# Altium PCB VCTS_mainboard_Photo.PcbDoc (part 3 of 4)
Units mm, origin at the board's own origin, x right, y up, seen from the top; angles counter-clockwise.
Board outline 215 x 98 mm, 6 copper layers (Top Copper, Signal Layer 1, Signal Layer 2, Signal Layer 3, Signal Layer 4, Bottom Copper), stack 1.502 mm thick; 528 components, 359 nets, 1476 pads, 756 vias.
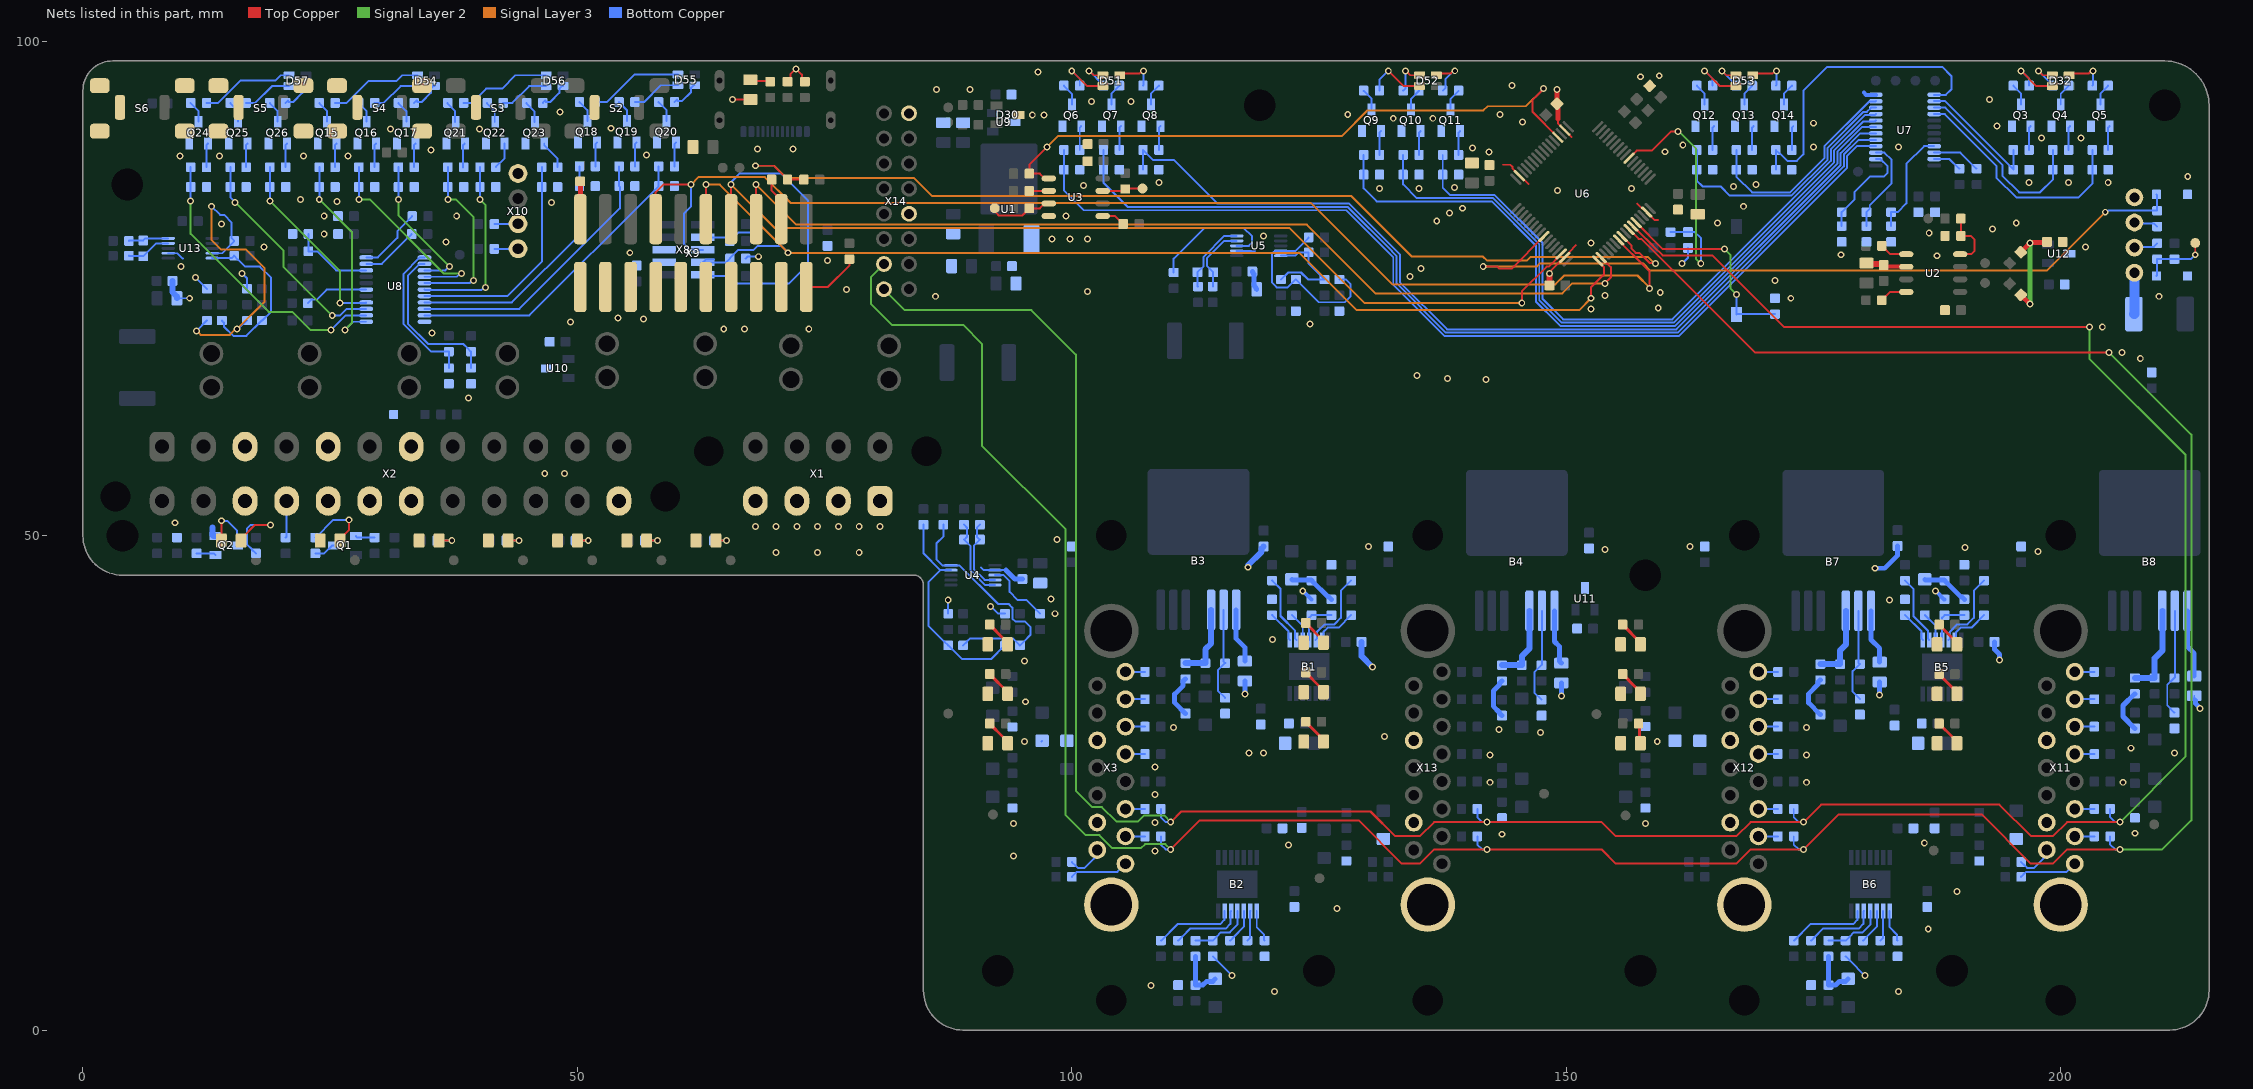
[diagram p7: the nets of this part, all layers, seen from the top]

## Via types
v1: diameter 0.7, hole 0.4, Top Copper to Bottom Copper, tented both sides, 682 vias
v2: diameter 0.7, hole 0.4, Top Copper to Bottom Copper, tented top, 72 vias
v3: diameter 0.56, hole 0.3, Top Copper to Bottom Copper, tented both sides, 2 vias

## Nets (pads, with @x,y where several pads share a name; then routed paths per layer and width w, separated by ;. In a path a pad name is that pad's centre, name@x,y a point inside that pad or via, vN(x,y) a via of type N, cw(c..) or ccw(c..) an arc to the next point about the centre after c; other vN are vias at no path point) (continued)
DGND: C1.1 C2.1 C3.1 C4.1 C5.1 C6.1 C7.1 C8.1 C9.1 C10.2 C11.1 C12.1 C13.1 C14.1 C16.2 C17.1 C18.1 C19.1 C20.2 C21.1 C22.1 C23.1 C24.1 C25.1 C26.1 C27.1 C28.1 C29.1 C30.1 C31.1 C32.1 C33.1 C35.1 C36.1 C37.1 C40.1 C41.1 C42.1 C43.1 C44.1 C45.1 C46.1 C47.1 C48.1 C49.1 C50.1 C51.1 C52.1 C53.1 C54.2 C55.1 C56.1 C57.1 C58.2 C59.1 C60.1 C61.1 C62.1 C63.1 C64.1 C65.1 C66.1 C67.1 C68.1 C69.1 C70.1 C71.1 D2.2 D4.2 D5.2 D6.2 D7.2 D8.2 D9.2 D10.2 D12.2 D14.2 D16.2 D17.2 D18.2 D19.2 D20.2 D21.2 D23.2 D25.2 D29.2 D30.3 D31.2 D34.2 D36.2 D38.2 D39.2 D40.2 D41.2 D42.2 D43.2 D45.2 D47.2 FB1.1 Q2.2 Q3.2 Q4.2 Q5.2 Q6.2 Q7.2 Q8.2 Q9.2 Q10.2 Q11.2 Q12.2 Q13.2 Q14.2 Q15.2 Q16.2 Q17.2 Q18.2 Q19.2 Q20.2 Q21.2 Q22.2 Q23.2 Q24.2 Q25.2 Q26.2 R14.2 R20.2 R42.1 R48.1 R49.2 R50.2 R57.1 R60.2 R67.2 R68.2 R75.1 R78.2 R83.1 R84.1 R85.1 R86.1 R92.1 R98.1 R105.1 R107.1 R125.1 R126.1 R127.1 R129.1 R130.1 R131.1 R132.1 R136.2 R141.1 R143.1 R145.1 R148.1 R173.2 R174.2 R181.1 R184.2 R191.2 R192.2 R199.1 R202.2 R207.1 R208.1 R209.1 R210.1 R216.1 R222.1 R227.1 R229.1 R231.1 R236.1 R238.1 R240.1 R245.1 R247.1 R249.1 R254.1 R256.1 R258.1 R263.1 R265.1 R267.1 R272.1 R274.1 R276.1 R281.1 R283.1 R285.1 S2.2 S3.2 S4.2 S4.TAB S5.2 S5.TAB S6.2 S6.TAB U1.1 U2.2 U3.4 U4.7 U5.7 U6.18 U6.31 U6.47 U6.63 U7.12 U8.12 U9.3 U10.3 U11.3 U12.3 U13.7 X1.1 X1.2 X1.3 X1.4 X2.3 X2.5 X2.7 X2.15 X2.17 X2.18 X2.19 X2.24 X3.3@102.578,29.289 X3.6 X3.A2 X7.1 X8.3 X8.5 X9.04 X9.06 X9.08 X9.10 X9.12 X9.14 X9.16 X9.18 X9.20 X10.1 X11.3@198.578,29.289 X11.6 X11.A2 X12.3@166.578,29.289 X12.6 X12.A2 X13.3@134.578,29.289 X13.6 X13.A2 X14.4 X14.8 | length 94.5
  Top Copper w0.15: 149.014,77.386 U6.47@149.414,77.786 ; U6.47@150.294,78.657 151.024,79.386 ; 157.144,83.6 U6.63@157.722,83.022
  Top Copper w0.2: v1(65.7,94.1) D31.2@67.5,94.1 ; R132.1@71.25,95.9 71.531,96.181 71.531,96.631 v1(72.1,97.2) 72.695,96.605 72.695,96.205 R136.2@73,95.9 ; 143.6,87.5 144.347,87.5 144.543,87.303 144.543,87.137 145.255,86.426 U6.31@145.255,86.399 145.698,85.956 145.794,85.956 146.175,85.575 ; v1@148.459,76.794 148.459,76.831 149.014,77.386 ; 149.179,92.1 149.179,91.668 U6.18@149.851,90.995 150.546,90.3 ; U6.47@149.851,78.126 U6.47@150.294,78.569 ; U6.63@158.097,82.722 U6.63@158.124,82.722 158.946,81.9 159.3,81.9
  Top Copper w0.4: C8.1@182.1,77.35 182.227,77.223 184.337,77.223 U2.2@184.375,77.185
  Top Copper w0.5: v1(149.072,95.107) 149.066,95.101 C43.1@149.066,93.666 149.066,93.312 149.179,93.199 149.179,92.1
  Top Copper w0.6: C44.1@148.3,75.3 v1(148.3,76.5) ; C9.1@180.35,77.55 180.45,77.45 182,77.45 C8.1@182.1,77.35
  Bottom Copper w0.2: U13.7@8.625,78.55 9.55,78.55 10.1,78 ; C71.1@9.5,74 v1(10.8,74) ; v1(11.4,76.1) 11.4,76.085 12.535,74.95 R222.1@12.55,74.95 ; v1(16.1,76.5) 16.6,76 R216.1@16.6,74.95 ; R105.1@67.014,78.011 67.203,78.2 v1(68.3,78.2) ; R42.1@87.5,42.1 v1(87.5,43.5) ; 90.8,46.8 91.1,46.5 U4.7@92.225,46.5 93.35,46.5 ; v1(91.792,42.848) 92.54,42.1 R48.1@93.25,42.1 ; D12.2@96.95,29.2 D12.2@97,29.25 ; R75.1@114.25,7.45 114.265,7.45 114.65,7.065 114.65,7.05 v1(116.2,5.5) ; U5.7@116.675,78.8 118.5,78.8 ; v1(117.5,34) R85.1@117.5,35.3 ; v1(161.7,77.5) 162.309,78.109 C37.1@162.309,79.091 ; R199.1@178.25,7.45 178.265,7.45 178.65,7.065 178.65,7.05 v1(180.2,5.5) ; R210.1@213.5,33.45 R210.1@213.5,33.8
  Bottom Copper w0.4: v1(123.351,44.393) 123.372,44.393 124.215,43.55 R57.1@124.25,43.55 ; 180.1,94.8 180.325,94.575 U7.12@181.3,94.575 ; v1(187.351,44.393) 187.372,44.393 188.215,43.55 R181.1@188.25,43.55
  Bottom Copper w0.5: 93.35,46.5 94.25,45.6 C13.1@95,45.6 ; C28.1@111.5,32 110.4,33.1 110.4,33.964 111.25,34.814 111.25,35.275 111.475,35.5 R83.1@111.5,35.5 ; v1(117.5,34) R85.1@117.5,35.3 ; C32.1@118.25,76.7 118.4,76.45 118.4,75.375 C33.1@118.7,74.9 ; C29.1@143.5,31.8 143.25,32.05 143.25,32.117 142.62,32.747 142.62,34.291 143.25,34.921 143.25,35.075 143.475,35.3 R84.1@143.5,35.3 ; v1(149.5,33.8) R86.1@149.5,35.1 ; C66.1@175.69,31.9 174.5,33.09 174.5,34 175.44,34.94 175.44,35.175 175.665,35.4 R207.1@175.69,35.4 ; v1(181.2,46.7) 182.2,46.7 183.5,48 C64.1@183.5,48.95 ; v1(181.69,33.9) R209.1@181.69,35.2 ; C57.1@193.3,39.25 193.3,38.5 193.8,38 v1(193.8,37.4) ; C67.1@207.5,30.5 206.3,31.7 206.3,32.825 207.475,34 R208.1@207.5,34 ; R210.1@213.5,33.45 213.616,33.334 213.616,33.038 214.1,32.554 v1(214.1,32.5)
  Bottom Copper w0.6: C70.1@9.05,75.75 9.05,74.625 9.5,74.175 C71.1@9.5,74 ; 13.1,50.8 13.1,50.05 13.2,49.95 Q2.2@13.4,49.95 ; v1(117.8,46.8) 117.819,46.819 117.819,46.99 119.2,48.371 119.2,48.7 C26.1@119.4,48.9 ; C19.1@129.3,39.25 129.3,37.8 v1(130.4,36.7)
  other v1: 120.5,3.9 183.6,3.9 108,4.5 186.6,10.2 126.8,12.3 189.5,14 94.1,17.6 108.4,18.1 121.9,18.7 186.2,18.9 143.5,19.8 207.5,19.9 94.1,20.9 158,20.9 108.4,21 108.4,23.8 142.3,25.054 174.3,25.054 206.3,25.054 108.4,26.6 142.3,27.827 174.3,27.827 117.9,28 119.4,28 211.5,28 207.1,28.5 95.2,29.2 159.2,29.2 131.6,29.7 147.4,30.1 143.2,30.4 110.3,30.6 174.3,30.6 95.3,33.2 95.2,37.3 120.3,39.5 98.3,42.1 182.7,43.5 97.9,43.6 70.1,48.3 74.3,48.3 78.5,48.3 197.7,48.4 153.9,48.6 190.3,48.8 130,48.9 162.5,48.9 98.5,49.6 68,50.9 70.1,50.9 72.2,50.9 74.3,50.9 76.4,50.9 78.5,50.9 80.6,50.9 9.3,51.3 46.7,56.3 48.7,56.3 39,63.9 141.9,65.8 138,65.9 134.9,66.2 208.043,67.9 206.2,68.5 35.3,70.5 64.8,70.9 66.9,70.9 73.4,70.9 204.2,71.1 124.1,71.4 49.3,71.6 56.7,71.9 54.1,72 152.5,72.9 159.3,73 172.7,74 86.2,74.2 209.943,74.2 153.9,74.3 159.5,74.6 101.6,74.7 77.2,74.9 171.1,75.8 134.2,76.2 135.3,77 9.9,77.2 75.3,77.8 187.5,78.3 177.8,78.4 55.3,78.6 18.3,79.2 202.5,79.2 152.5,79.6 36.7,79.7 98,80 99.8,80 101.6,80 119.4,80.3 24.4,80.5 186.7,80.6 193.1,81 14,81.5 165.3,81.6 195.5,81.6 136.9,81.8 24.4,82.3 37.8,82.3 99.4,82.3 138.2,82.6 139.5,83.1 167.9,83.3 47.4,83.7 25.7,83.8 22,84 149.1,84.9 131.1,85.1 135.1,85.1 156.6,85.1 138.7,85.2 166.9,85.3 101.2,85.4 169.2,85.5 108.801,85.7 196.8,85.7 200.8,85.7 204.8,85.7 212.843,86.3 9.8,88.4 13.8,88.4 22.3,88.4 26.8,88.4 57,88.5 142.2,88.8 159.991,88.817 35.2,89 68.2,89.1 71.8,89.1 140.5,89.2 175,89.3 183.6,89.3 161.779,89.479 198.043,90.2 202.043,90.2 31.1,91.1 40.1,91.1 53.419,91.189 193.543,91.4 175,91.7 145.588,91.818 132.5,92.2 136.5,92.2 96,92.55 97.2,92.55 127.9,92.6 143.3,92.6 48.25,92.85 102,93.9 106,93.9 192.8,94.1 86.3,95.1 89.7,95.1 144.5,95.5 157.5,96.4 159.4,96.5 96.6,96.9
EEPROM_CS: R31.1 U3.1 U6.20 | length 64.7
  Top Copper w0.2: v1(97.5,89.3) 95.7,87.5 R31.1@95.7,86.6 96.768,86.6 97.245,86.123 U3.1@97.67,86.123 ; v1(147.7,95.2) 146.596,94.096 146.596,92.836 U6.20@149.144,90.288
  Signal Layer 3 w0.2: v1(97.5,89.3) 98.598,90.398 127.298,90.398 129.9,93 140.902,93 140.906,92.996 141.489,92.996 141.493,93 141.624,93 142.039,93.415 145.915,93.415 v1(147.7,95.2)
EEPROM_DI: R32.1 U3.5 | length 2.6
  Top Copper w0.2: U3.5@103.12,82.313 104.387,82.313 104.8,81.9 104.815,81.9 105.322,81.393 R32.1@105.322,81.378
EEPROM_DO: R33.1 U3.2 | length 2
  Top Copper w0.2: R33.1@95.7,84.85 95.703,84.853 U3.2@97.67,84.853
EEPROM_HOLD: R30.1 TP34.1 U3.7 | length 4.1
  Top Copper w0.2: U3.7@103.12,84.853 105.203,84.853 R30.1@105.4,85.05 105.45,85.1 TP34.1@107.15,85.1
EEPROM_WP: R29.1 TP35.1 U3.3 | length 6.5
  Top Copper w0.2: TP35.1@92.2,83.1 92.353,82.947 92.353,82.647 92.63,82.37 94.995,82.37 95.7,83.075 R29.1@95.7,83.1 96.762,83.1 97.245,83.583 U3.3@97.67,83.583
FAN_PWM: D10.1 R36.2 U6.41 | length 80.3
  Top Copper w0.2: v1(141.6,77.2) 143.009,77.2 143.209,77 144.482,77 U6.41@147.73,80.247
  Signal Layer 3 w0.2: v1(141.6,77.2) 141.604,77.204 147.004,77.204 147.334,77.534 157.766,77.534 158.5,76.8 158.704,76.8 158.708,76.796 161.992,76.796 161.996,76.8 198.6,76.8 v1(204.5,82.7)
  Bottom Copper w0.2: v1(204.5,82.7) 204.635,82.7 204.795,82.86 208.147,82.86 208.157,82.85 R36.2@209.75,82.85 209.713,82.887 209.713,84.462 D10.1@209.675,84.5
FAN_PWR_FUSED: F5.2 X4.1 | length 4.2
  Bottom Copper w1: F5.2@207.4,72.4 207.45,72.4 X4.1@207.45,76.58
FAN_TACH: D9.1 R34.1 R35.2 TP36.1 | length 7
  Top Copper w0.2: v1(213.6,78.4) TP36.1@213.6,79.6
  Bottom Copper w0.2: D9.1@209.675,76.25 209.713,76.288 209.713,77.913 R35.2@209.75,77.95 R34.1@211.5,77.95 213.15,77.95 v1(213.6,78.4)
I2C_EXT_SCL: R26.1 R154.1 R162.1 R170.1 U6.58 X14.15 | length 307
  Top Copper w0.2: v1(110,18.263) 112.937,21.2 129,21.2 133.373,16.827 135.2,16.827 136.636,18.263 v1(142,18.263) ; v1@142.006,18.257 153.57,18.257 155,16.827 167.2,16.827 168.636,18.263 v1(174,18.263) 177.537,21.8 192,21.8 196.973,16.827 199.2,16.827 200.636,18.263 v1(206,18.263) ; U6.58@156.356,80.954 157.305,80.006 157.593,80.006 158.451,79.148 158.451,79.144 159.596,78 159.599,78 169.099,68.5 v1(204.9,68.5)
  Signal Layer 2 w0.2: X14.15@81,77.46 79.7,76.16 79.7,73.4 81.8,71.3 89,71.3 90.9,69.4 90.9,59.1 99.363,50.637 99.363,21.737 101.4,19.7 102.789,19.7 104.103,18.386 106.983,18.386 107.401,18.804 109.459,18.804 v1(110,18.263) ; v1(204.9,68.5) 213.2,60.2 213.2,21.2 210.263,18.263 v1(206,18.263)
  Bottom Copper w0.2: R26.1@109,19.587 109,18.753 109.489,18.263 v1(110,18.263) ; R170.1@141,19.587 141,18.753 141.489,18.263 v1(142,18.263) ; R162.1@173,19.587 173,18.753 173.489,18.263 v1(174,18.263) ; R154.1@205,19.587 205,18.753 205.489,18.263 v1(206,18.263)
I2C_EXT_SDA: R25.1 R153.1 R161.1 R169.1 U6.59 X14.16 | length 294.9
  Top Copper w0.2: v1(110,21.036) 111.064,22.1 111.404,22.1 111.408,22.096 111.992,22.096 111.996,22.1 130.2,22.1 132.7,19.6 135.2,19.6 136.636,21.036 v1(142,21.036) ; v1@142.006,21.03 153.57,21.03 155,19.6 167.2,19.6 168.636,21.036 v1(174,21.036) 175.764,22.8 193.8,22.8 197,19.6 199.2,19.6 200.636,21.036 v1(206,21.036) ; U6.59@156.71,81.308 156.737,81.308 157.211,80.834 157.232,80.834 158.781,79.285 158.781,79.281 159.732,78.33 164.77,78.33 172,71.1 v1(202.9,71.1)
  Signal Layer 2 w0.2: X14.16@81,74.92 83.12,72.8 95.9,72.8 100.4,68.3 100.4,24.2 102.048,22.552 103.048,22.552 104.502,21.098 106.698,21.098 107.304,21.704 109.332,21.704 v1(110,21.036) ; v1(202.9,71.1) 202.9,67.9 212.6,58.2 212.6,27.636 v1(206,21.036)
  Bottom Copper w0.2: R25.1@109,22.359 109,21.526 109.489,21.036 v1(110,21.036) ; R169.1@141,22.359 141,21.526 141.489,21.036 v1(142,21.036) ; R161.1@173,22.359 173,21.526 173.489,21.036 v1(174,21.036) ; R153.1@205,22.359 205,21.526 205.489,21.036 v1(206,21.036)
I_SNS_SCL: R39.2 R47.2 R287.2 U4.5 | length 25.4
  Bottom Copper w0.2: R287.2@87,51.1 87,49.9 86.3,49.2 86.3,47.6 86.9,47 88.636,47 92.553,43.083 93.617,43.083 93.994,42.706 93.994,41.611 94.284,41.321 95.254,41.321 95.8,40.775 95.8,39.95 95.138,39.288 95.138,39.274 94.765,38.9 R47.2@94.75,38.9 94.725,38.9 94.02,39.605 89.705,39.605 89.4,39.3 89.4,39.285 89.015,38.9 R39.2@89,38.9
I_SNS_SCL_U_Low_Current_Sense1: R213.2 R221.2 R291.2 U13.5 | length 17.3
  Bottom Copper w0.2: U13.5@13.075,78.05 15.05,78.05 R291.2@15.3,78.3 15.3,78.285 15.674,77.912 15.688,77.912 16.4,77.2 17.9,77.2 19.033,76.067 19.033,72.654 18.128,71.75 R213.2@18.1,71.75 18.075,71.75 16.521,70.196 15.204,70.196 14.258,71.142 14.258,71.542 R221.2@14.05,71.75
I_SNS_SCL_U_Low_Current_Sense2: R89.2 R97.2 R289.2 U5.5 | length 11.4
  Bottom Copper w0.2: U5.5@121.125,78.3 122.592,78.3 122.942,78.65 R289.2@123.95,78.65 123.95,77.5 125.162,76.288 125.162,76.274 R89.2@125.535,75.9 ; R97.2@121.15,75.9 121.175,75.9 121.88,76.605 123.176,76.605 123.881,75.9 R89.2@125.535,75.9 ; R89.2@125.55,75.9 R89.2@125.535,75.9
I_SNS_SDA: R38.2 R46.2 R286.2 U4.4 | length 22.2
  Bottom Copper w0.2: R286.2@85,51.1 85,48.2 86.7,46.5 ; U4.4@87.775,46.5 86.7,46.5 ; R46.2@93.25,38.9 93.225,38.9 91.825,37.5 88.9,37.5 87.9,38.5 87.9,38.515 87.515,38.9 87.485,38.9 87.112,39.274 87.112,39.288 85.5,40.9 85.5,45.3 86.7,46.5
I_SNS_SDA_U_Low_Current_Sense1: R212.2 R220.2 R290.2 U13.4 | length 32.1
  Signal Layer 3 w0.2: v1(11.5,70.7) 11.9,70.3 14.865,70.3 15.465,70.9 v1(15.6,70.9) 18.372,73.672 18.372,77.028 16.45,78.95 13.95,78.95 13,79.9 v1(13,83.3)
  Bottom Copper w0.2: v1(11.5,70.7) 11.5,70.715 12.535,71.75 R220.2@12.55,71.75 ; v1(13,83.3) 13.87,82.43 14.27,82.43 15.044,81.656 15.044,80.144 15,80.1 R290.2@15.3,79.8 15.3,79.775 14.075,78.55 U13.4@13.075,78.55 ; v1(15.6,70.9) 15.715,70.9 16.565,71.75 R212.2@16.6,71.75
I_SNS_SDA_U_Low_Current_Sense2: R88.2 R96.2 R288.2 U5.4 | length 19.6
  Bottom Copper w0.2: R96.2@122.658,75.9 122.665,75.9 123.05,75.515 123.05,75.508 124.963,73.595 127.576,73.595 128.2,74.219 128.2,75.4 127.7,75.9 R88.2@127.05,75.9 ; R96.2@122.675,75.9 122.625,75.9 121.825,75.1 120.719,75.1 120.22,75.599 120.22,78.457 120.443,78.68 120.453,78.68 120.573,78.8 U5.4@121.125,78.8 122.625,78.8 123.95,80.125 R288.2@123.95,80.15
JTAG_RST: R103.1 R104.1 U6.56 | length 105.6
  Top Copper w0.2: v1(68,87.4) 69.85,87.4 70.862,86.388 70.876,86.388 71.25,86.015 R104.1@71.25,86 R103.1@72.9,86 ; U6.56@155.649,80.247 155.676,80.247 156.598,79.326 156.598,79.01 157.01,78.598 157.389,78.598 158.42,77.566 158.934,77.566 v1(159,77.5)
  Signal Layer 3 w0.2: v1(68,87.4) 69.886,87.4 71.106,86.18 80.544,86.18 84.028,86.18 85.878,84.33 90.137,84.33 90.144,84.323 128.28,84.323 134.382,78.221 141.575,78.221 142,77.796 146.005,77.796 146.368,78.159 158.27,78.159 158.929,77.5 v1(159,77.5)
JTAG_TCLK: R105.2 U6.49 X8.4 X9.09 | length 114.2
  Top Copper w0.2: X9.09@63,82 v1(63,85.5) ; v1(152.5,74) 152.5,75.1 153.8,76.4 153.8,77.147 U6.49@153.174,77.772
  Signal Layer 3 w0.2: v1(63,85.5) 64.4,85.5 v1(71.3,78.6) 123,78.6 128.804,72.796 151.296,72.796 v1(152.5,74)
  Bottom Copper w0.2: X8.4@63.805,77.905 62.964,77.905 X8.4@62.684,77.625 65.04,77.625 65.414,77.998 R105.2@65.414,78.011 65.414,78.036 66.278,78.9 67.818,78.9 68.222,79.304 70.596,79.304 v1(71.3,78.6)
JTAG_TDI: R102.1 U6.50 X8.8 X9.05 | length 108.1
  Top Copper w0.2: X9.05@68.08,82 v1(68.08,85.5) ; U6.50@153.528,78.126 154.5,77.154 154.5,76.1 v1(153.9,75.5)
  Signal Layer 3 w0.2: v1(68.08,85.5) 72.14,81.44 123.76,81.44 130.7,74.5 149.6,74.5 150.6,75.5 v1(153.9,75.5)
  Bottom Copper w0.2: X8.8@62.684,80.165 65.04,80.165 65.414,79.791 R102.1@65.414,79.779 65.414,79.794 65.799,80.179 65.814,80.179 66.276,80.641 67.641,80.641 68.08,81.08 v1(68.08,85.5)
JTAG_TDO: U6.55 X8.6 X9.13 | length 123.9
  Top Copper w0.2: X9.13@57.92,82 57.92,84.72 58.7,85.5 v1(61.5,85.5) ; U6.55@155.296,79.894 155.296,79.867 155.77,79.392 155.77,79.371 157.405,77.737 158.4,76.741 v1(158.4,75)
  Signal Layer 3 w0.2: v1(61.5,85.5) 62.243,86.243 68.957,86.243 71.55,83.65 124.15,83.65 132.404,75.396 148.896,75.396 149.8,76.3 157.2,76.3 158.4,75.1 v1(158.4,75)
  Bottom Copper w0.2: v1(61.5,85.5) 61.5,83.282 60.8,82.582 60.8,79.451 61.351,78.9 62.679,78.9 X8.6@62.684,78.895
JTAG_TMS: R101.1 U6.46 X8.2 X9.07 | length 122.9
  Top Copper w0.2: X9.07@65.54,82 v1(65.54,85.5) ; v1(145.5,73.5) 145.5,74.696 148.008,77.204 148.224,77.204 U6.46@149.497,78.477
  Signal Layer 3 w0.2: v1(65.54,85.5) 69.933,81.107 121.993,81.107 129.6,73.5 v1(145.5,73.5)
  Bottom Copper w0.2: X8.2@62.684,76.355 62.796,76.243 R101.1@65.414,76.243 65.414,76.218 66.119,75.513 71.413,75.513 73.3,77.4 73.3,83.9 70.58,86.62 66.42,86.62 65.636,85.836 65.636,85.596 v1(65.54,85.5)
LED_CTL_BRD1_B: R226.1 R227.2 U7.4 | length 102.6
  Bottom Copper w0.2: R226.1@99.201,89 R227.2@99.201,87 99.201,84.899 101.2,82.9 127.733,82.9 132.503,78.13 132.503,75.363 137.667,70.2 161.4,70.2 178.4,87.2 178.4,88.4 179.375,89.375 180.365,89.375 180.367,89.373 181.298,89.373 U7.4@181.3,89.375
LED_CTL_BRD1_G: R228.1 R229.2 U7.5 | length 98.1
  Bottom Copper w0.2: R228.1@103.201,89 R229.2@103.201,87 103.201,85.699 105.67,83.23 127.899,83.23 132.39,78.739 132.39,78.71 132.833,78.267 132.833,75.5 137.803,70.53 161.263,70.53 178.07,87.337 178.07,88.537 179.558,90.025 U7.5@181.3,90.025
LED_CTL_BRD1_R: R230.1 R231.2 U7.6 | length 94.2
  Bottom Copper w0.2: R231.2@107.201,87 R230.1@107.201,88.985 ; R230.1@107.201,89 R230.1@107.201,88.985 ; U7.6@181.3,90.675 179.742,90.675 177.74,88.673 177.74,87.473 161.127,70.86 137.94,70.86 133.163,75.637 133.163,77.937 133.163,78.433 127.996,83.6 114.7,83.6 110.3,88 108.201,88 107.589,88.612 107.574,88.612 R230.1@107.201,88.985
LED_CTL_BRD2_B: R235.1 R236.2 U7.7 | length 73.3
  Bottom Copper w0.2: R235.1@129.507,88.5 R236.2@129.507,86.5 129.507,85.109 130.816,83.8 137.549,83.8 137.553,83.804 142.463,83.804 146.936,79.331 146.936,73.664 149.064,71.536 149.4,71.2 161,71.2 177.41,87.61 177.41,88.81 179.925,91.325 U7.7@181.3,91.325
LED_CTL_BRD2_G: R237.1 R238.2 U7.8 | length 69.1
  Bottom Copper w0.2: R237.1@133.507,88.5 R238.2@133.507,86.5 133.507,85.523 134.9,84.13 137.412,84.13 137.416,84.134 142.599,84.134 147.266,79.467 147.266,73.801 149.537,71.53 160.863,71.53 177.08,87.747 177.08,88.947 180.008,91.875 181.2,91.875 U7.8@181.3,91.975
LED_CTL_BRD2_R: R239.1 R240.2 U7.9 | length 65.2
  Bottom Copper w0.2: R239.1@137.507,88.5 R240.2@137.507,86.5 137.507,85.193 138.236,84.464 142.736,84.464 147.596,79.604 147.596,73.937 149.673,71.86 160.727,71.86 176.75,87.883 176.75,89.083 180.192,92.525 181.2,92.525 U7.9@181.3,92.625
LED_CTL_BRD3_B: R244.1 R245.2 U7.10 | length 26.2
  Bottom Copper w0.2: R244.1@163.2,89 R245.2@163.2,87 163.2,85.9 163.8,85.3 165.6,85.3 166.53,84.37 172.77,84.37 176.42,88.02 176.42,89.22 180.055,92.855 180.405,92.855 180.825,93.275 U7.10@181.3,93.275
LED_CTL_BRD3_G: R246.1 R247.2 U7.11 | length 22
  Bottom Copper w0.2: R246.1@167.2,89 R247.2@167.2,87 167.2,86.3 168.8,84.7 172.633,84.7 176.09,88.157 176.09,89.357 180.378,93.645 180.61,93.877 181.252,93.877 U7.11@181.3,93.925
LED_CTL_BRD3_R: R248.1 R249.2 U7.13 | length 31.6
  Bottom Copper w0.2: R249.2@171.2,87 R248.1@171.2,89 ; R248.1@171.2,88.975 R248.1@171.2,89 ; U7.13@187.2,94.575 188.375,94.575 188.953,95.153 188.953,96.447 188,97.4 176.4,97.4 173.964,94.964 173.964,88.541 173.322,87.9 172.347,87.9 171.635,88.612 171.574,88.612 171.2,88.985 R248.1@171.2,89
LED_CTL_BRD4_B: R140.1 R141.2 U7.14 | length 12.9
  Bottom Copper w0.2: U7.14@187.2,93.925 188.3,93.925 R141.2@195.2,87.025 ; R141.2@195.2,87 R141.2@195.2,87.025 ; R140.1@195.2,89 R141.2@195.2,87.025
LED_CTL_BRD4_G: R142.1 R143.2 U7.15 | length 19.7
  Bottom Copper w0.2: U7.15@187.2,93.275 188.325,93.275 194.1,87.5 194.1,86.4 195.8,84.7 197.9,84.7 199.2,86 R143.2@199.2,87 R142.1@199.2,89
LED_CTL_BRD4_R: R144.1 R145.2 U7.16 | length 24.2
  Bottom Copper w0.2: U7.16@187.2,92.625 188.275,92.625 193.5,87.4 193.5,86.2 195.5,84.2 201.8,84.2 203.2,85.6 R145.2@203.2,87 R144.1@203.2,89
LED_CTL_PWR_B: R253.1 R254.2 U8.13 | length 20.6
  Signal Layer 2 w0.2: v1(23.9,84) 27.2,80.7 27.2,71.5 v1(26.5,70.8)
  Bottom Copper w0.2: v1(23.9,84) R254.2@23.9,85.25 R253.1@23.9,87.25 ; v1(26.5,70.8) 27.325,71.625 U8.13@28.65,71.625
LED_CTL_PWR_G: R255.1 R256.2 U8.5 | length 20.6
  Signal Layer 2 w0.2: v1(27.9,84) 29,84 36.496,76.504 38.284,76.504 v1(38.288,76.508)
  Bottom Copper w0.2: v1(27.9,84) R256.2@27.9,85.25 R255.1@27.9,87.25 ; U8.5@34.55,76.175 37.82,76.175 38.152,76.508 v1(38.288,76.508)
LED_CTL_PWR_R: R257.1 R258.2 U8.4 | length 14.9
  Signal Layer 2 w0.2: v1(31.9,84) 31.9,82.395 v1(37.088,77.208)
  Bottom Copper w0.2: v1(31.9,84) R258.2@31.9,85.25 R257.1@31.9,87.25 ; U8.4@34.55,76.825 36.65,76.825 37.033,77.208 v1(37.088,77.208)
LED_CTL_SPARE_B: R280.1 R281.2 U8.14 | length 29.1
  Signal Layer 2 w0.2: v1(10.9,83.85) 10.9,80.5 18.775,72.625 21.175,72.625 23,70.8 v1(25.1,70.8)
  Bottom Copper w0.2: v1(10.9,83.85) R281.2@10.9,85.25 R280.1@10.9,87.25 ; v1(25.1,70.8) 26.575,72.275 U8.14@28.65,72.275
LED_CTL_SPARE_G: R282.1 R283.2 U8.15 | length 23
  Signal Layer 2 w0.2: v1(15.4,83.7) 20.306,78.794 20.306,77.146 v1(25.212,72.24)
  Bottom Copper w0.2: R282.1@14.9,87.25 14.9,84.2 v1(15.4,83.7) ; v1(25.212,72.24) 25.991,72.24 26.676,72.925 U8.15@28.65,72.925
LED_CTL_SPARE_R: R284.1 R285.2 U8.16 | length 19.4
  Signal Layer 2 w0.2: v1(18.9,83.85) 26,76.75 v1(26,73.5)
  Bottom Copper w0.2: v1(18.9,83.85) R285.2@18.9,85.25 R284.1@18.9,87.25 ; v1(26,73.5) 26.037,73.537 28.612,73.537 U8.16@28.65,73.575
LED_CTL_STATUS_B: R262.1 R263.2 U8.9 | length 25.4
  Bottom Copper w0.2: U8.9@34.55,73.575 43.375,73.575 50.219,80.419 R263.2@50.219,85.339 R262.1@50.219,87.339
LED_CTL_STATUS_G: R264.1 R265.2 U8.10 | length 28.2
  Bottom Copper w0.2: U8.10@34.55,72.925 44.125,72.925 54.3,83.1 54.3,85.258 R265.2@54.219,85.339 R264.1@54.219,87.339
LED_CTL_STATUS_R: R266.1 R267.2 U8.11 | length 31.1
  Bottom Copper w0.2: U8.11@34.55,72.275 45.155,72.275 57.819,84.939 57.834,84.939 58.219,85.324 R266.1@58.219,87.339
LED_CTL_USER_B: R271.1 R272.2 U8.6 | length 18.1
  Signal Layer 2 w0.2: v1(36.9,84) 37.7,84 39.5,82.2 v1(39.5,75.8)
  Bottom Copper w0.2: U8.6@34.55,75.525 39.09,75.525 39.365,75.8 v1(39.5,75.8) ; v1(36.9,84) R272.2@36.9,85.25 R271.1@36.9,87.25
LED_CTL_USER_G: R273.1 R274.2 U8.7 | length 18.7
  Signal Layer 2 w0.2: v1(40.15,84) 40.7,83.45 v1(40.7,75.1)
  Bottom Copper w0.2: U8.7@34.55,74.875 34.598,74.827 35.233,74.827 35.247,74.813 40.292,74.813 40.578,75.1 v1(40.7,75.1) ; v1(40.15,84) R274.2@40.15,85.25 R273.1@40.15,87.25
LED_CTL_USER_R: R275.1 R276.2 U8.8 | length 22.8
  Bottom Copper w0.2: U8.8@34.55,74.225 42.925,74.225 46.4,77.7 R276.2@46.4,85.25 R275.1@46.4,87.25